# Altium PCB Dashcam.PcbDoc (part 2 of 6) (continued)
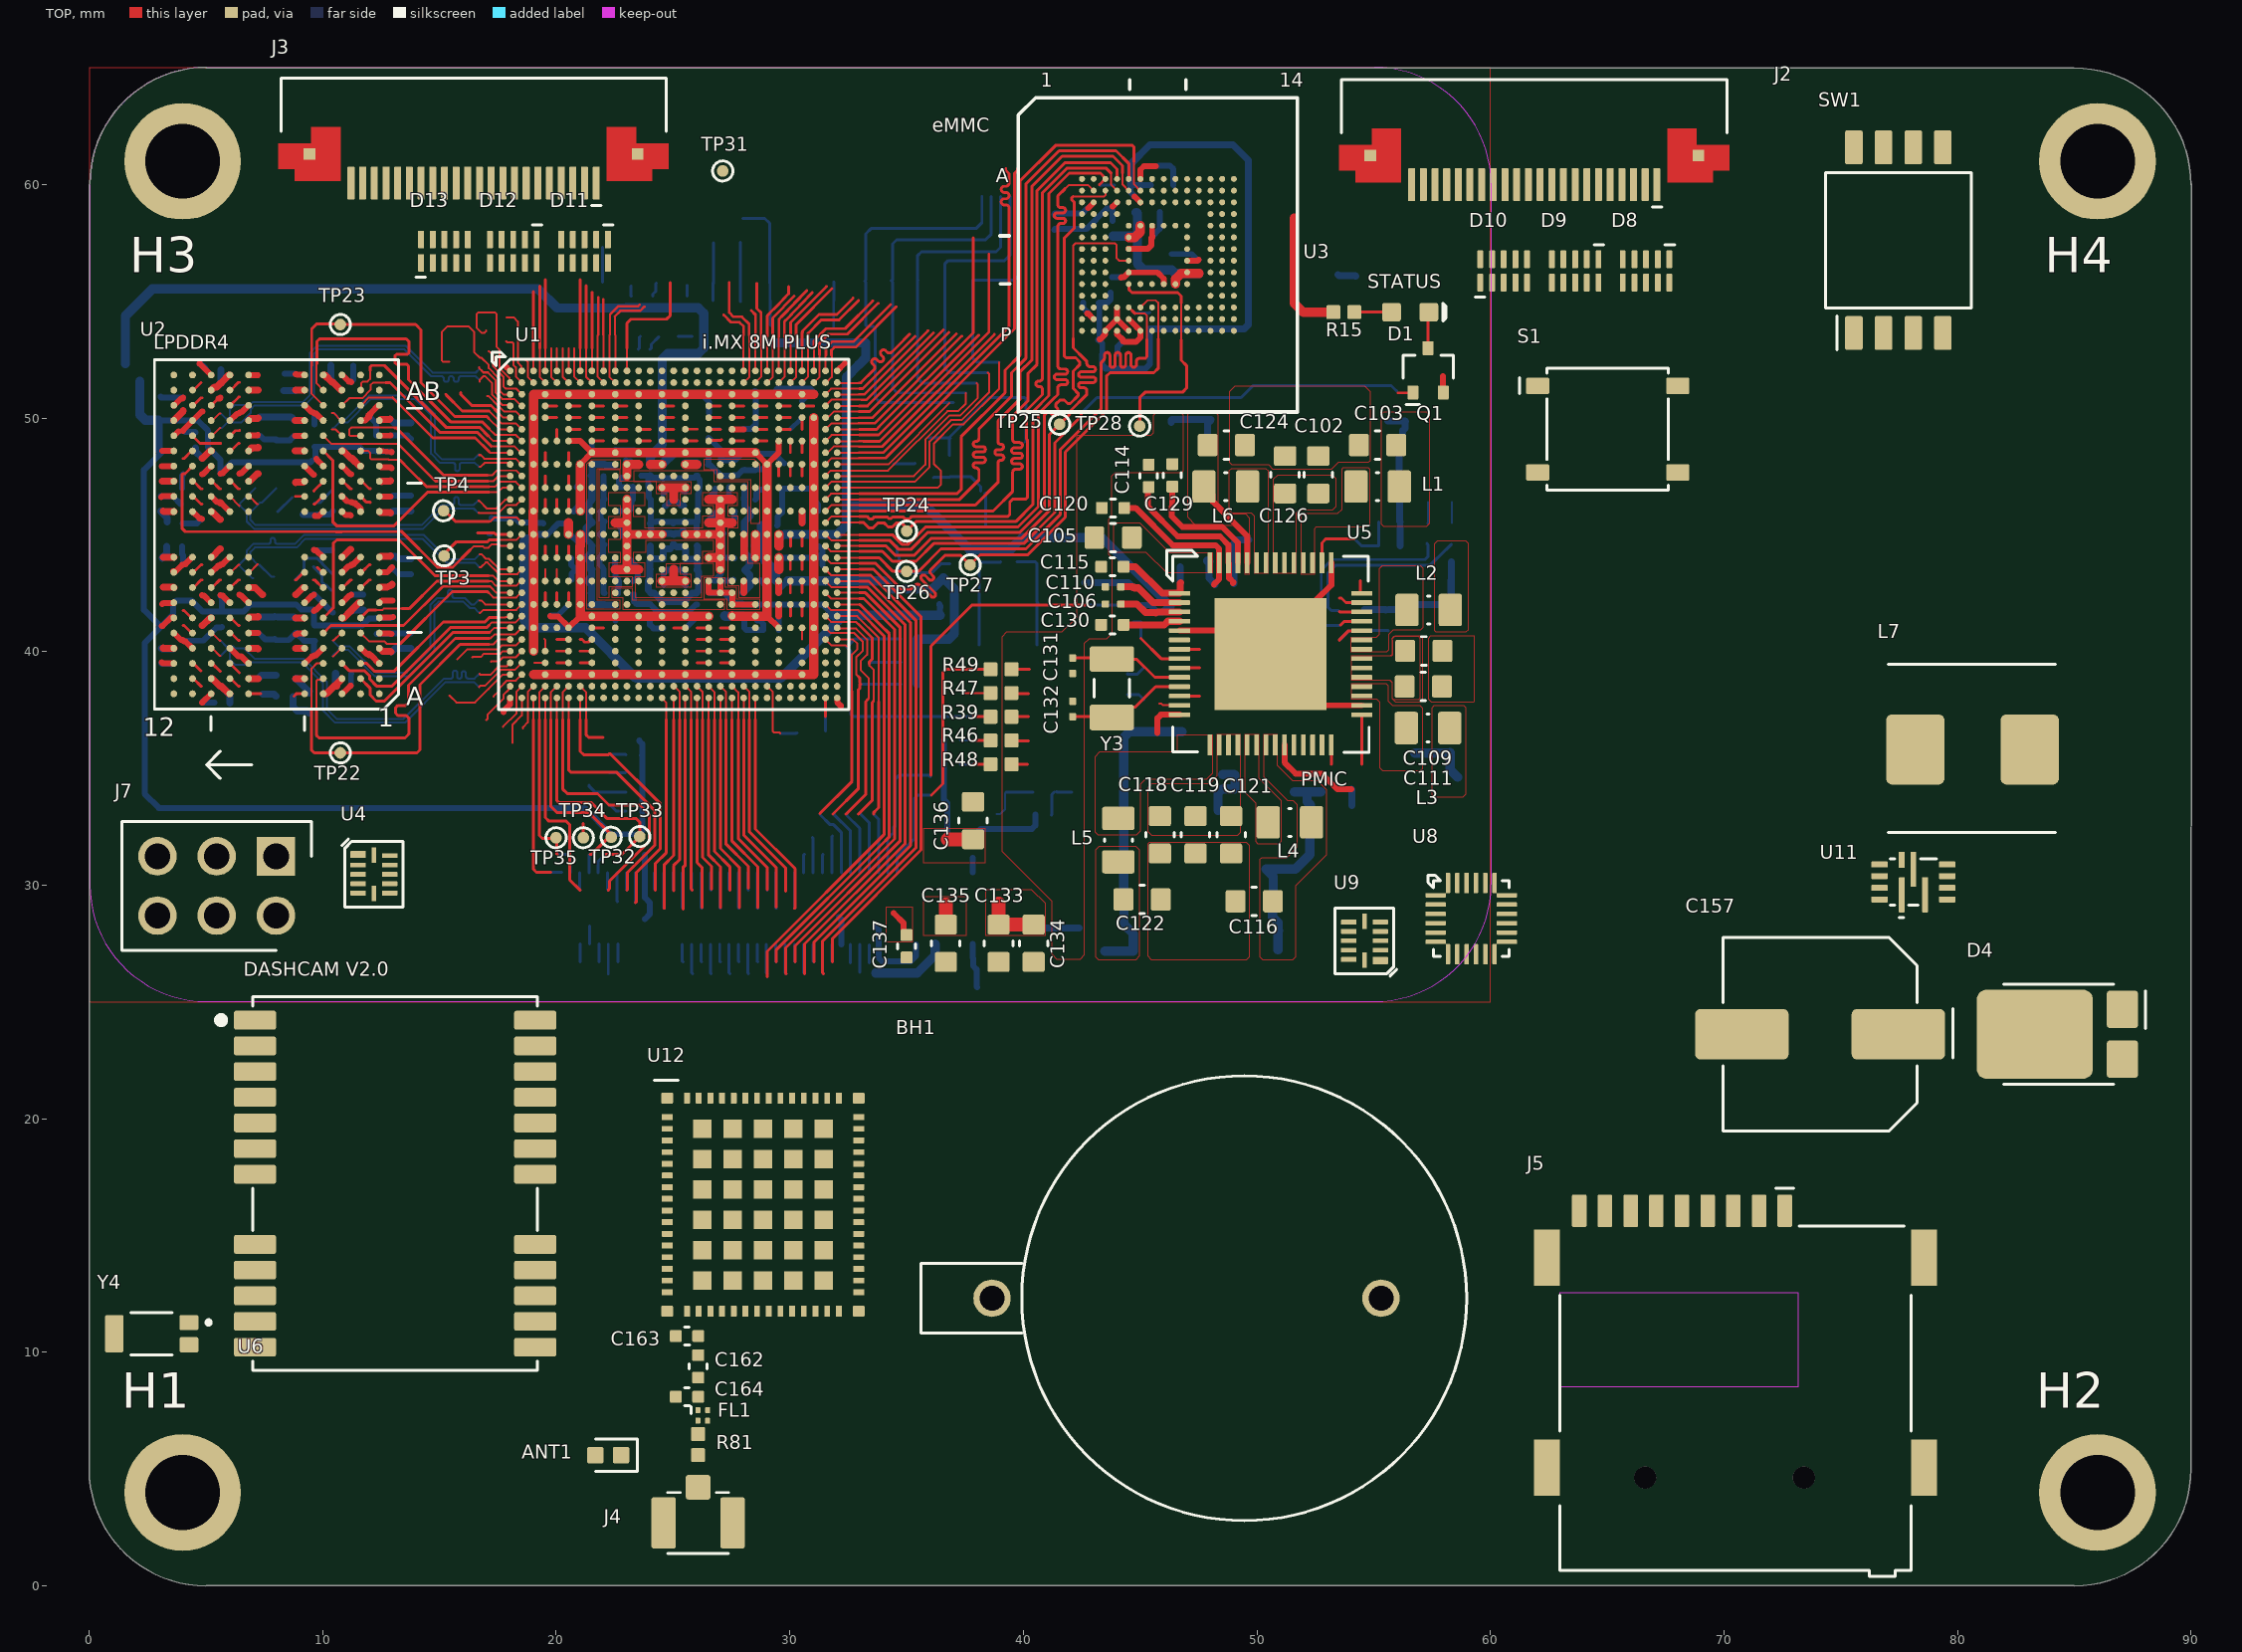
[diagram p0: TOP view]
## Part data (continued)
R50: library part RES_1M_1%_63mW_0402, "Res Thick Film 0402 1M Ohm 1% 1/16W ±100ppm/°C Molded SMD SMD Paper Tape on Plastic Reel", Case Code (Imperial)=0402, Case Code (Metric)=1005, Manufacturer=Bourns, Max Operating Temperature=125°C, Max Power Dissipation=63mW, Min Operating Temperature=-55°C, Package Quantity=10000, Power Rating=62.5mW, Resistance=1M, Supplier Part Number 1=CR0402-FX-1004GLFCT-ND, Temperature Coefficient=100ppm/°C, Tolerance=1%, Voltage Rating=50V, Case/Package=0402, Category="Chip SMD Resistors", ComponentLink1Description=http://www.mouser.com/ds/2/54/CR0402-72074.pdf?src-supplier=Mouser, ComponentLink1URL=http://www.mouser.com/ds/2/54/CR0402-72074.pdf?src-supplier=Mouser, ComponentLink2Description=http://www.farnell.com/datasheets/2194437.pdf?src-supplier=Farnell, ComponentLink2URL=http://www.farnell.com/datasheets/2194437.pdf?src-supplier=Farnell, ComponentLink3Description=http://components.arrow.com/part/dataview/41873878S8356545N1506?src-supplier=Arrow+Electronics, ComponentLink3URL=http://components.arrow.com/part/dataview/41873878S8356545N1506?src-supplier=Arrow+Electronics, ComponentLink4Description=https://datasheet.octopart.com/CR0402-FX-1004GLF-Bourns-datasheet-68301632.pdf?src-supplier=Farnell, ComponentLink4URL=https://datasheet.octopart.com/CR0402-FX-1004GLF-Bourns-datasheet-68301632.pdf?src-supplier=Farnell, ComponentLink5Description=http://www.bourns.com/pdfs/CR0402.pdf?src-supplier=Avnet, ComponentLink5URL=http://www.bourns.com/pdfs/CR0402.pdf?src-supplier=Avnet, ComponentLink6Description=https://www.bourns.com/docs/Product-Datasheets/CR0402.pdf?src-supplier=Digi-Key, ComponentLink6URL=https://www.bourns.com/docs/Product-Datasheets/CR0402.pdf?src-supplier=Digi-Key, ComponentLink7Description=http://www.farnell.com/datasheets/2194437.pdf?src-supplier=Element14, ComponentLink7URL=http://www.farnell.com/datasheets/2194437.pdf?src-supplier=Element14, ComponentLink8Description=http://www.farnell.com/datasheets/2194437.pdf?src-supplier=Newark, ComponentLink8URL=http://www.farnell.com/datasheets/2194437.pdf?src-supplier=Newark, ComponentLink9Description=https://datasheet.octopart.com/CR0402-FX-1004GLF-Bourns-datasheet-159578630.pdf?src-supplier=Electro+Sonic, ComponentLink9URL=https://datasheet.octopart.com/CR0402-FX-1004GLF-Bourns-datasheet-159578630.pdf?src-supplier=Electro+Sonic, ComponentLink10Description=https://datasheet.octopart.com/CR0402-FX-1004GLF-Bourns-datasheet-140567134.pdf?src-supplier=Arrow.cn, ComponentLink10URL=https://datasheet.octopart.com/CR0402-FX-1004GLF-Bourns-datasheet-140567134.pdf?src-supplier=Arrow.cn, Contact Plating=Tin, Height=0.35mm, Length=1mm, Manufacturer Part Number=CR0402-FX-1004GLF, Mount="Surface Mount", Number of Terminations=2, Packaging="Tape and Reel", Pricing 1="1=0.1, 10=0.012, 50=0.0064, 100=0.0052, 500=0.00332, 1000=0.0028, 5000=0.00193 (USD)", Radiation Hardening=No, RoHS=Yes, RoHS Compliant=Yes, Series=CR0402, Stock 1=506989, Supplier 1=Digi-Key, Termination=SMD/SMT, Thickness=356um, Voltage Rating (DC)=50V, Width=0.5mm
R56: library part RES_27R_5%_100mW_0603, "Res Thick Film 0603 27 Ohm 5% 0.1W(1/10W) ±100ppm/C Pad SMD T/R", Case Code (Imperial)=0603, Case Code (Metric)=1608, Manufacturer=Yageo, Max Operating Temperature=155°C, Max Power Dissipation=100mW, Min Operating Temperature=-55°C, Resistance=27R, Resistance Tolerance=5%, Resistor Type="Thick Film", Supplier Part Number 1=311-27GRCT-ND, Temperature Coefficient=100ppm/°C, Voltage Rating=50V, Case/Package=0603, Category="Chip SMD Resistors", ComponentLink1Description=https://datasheet.ciiva.com/7746/443971-7746479.pdf?src-supplier=Element14, ComponentLink1URL=https://datasheet.ciiva.com/7746/443971-7746479.pdf?src-supplier=Element14, Features="Moisture Resistant", Lead Free="Lead Free", Manufacturer Part Number=RC0603JR-0727RL, Number of Pins=2, Number of Terminations=2, Packaging="Tape and Reel", Power Rating=100mW, Pricing 1="1=0.1, 10=0.016, 50=0.0098, 100=0.0081, 500=0.00542, 1000=0.00462 (USD)", Reach SVHC Compliant=No, RoHS=Yes, RoHS Compliant=Yes, Series=RC, Size Code=0603, Stock 1=613178, Supplier 1=Digi-Key, Termination=SMD/SMT, Tolerance=5%, Voltage Rating (DC)=50V, Width=0.8mm
R57: library part RES_100K_1%_100mW_0402, "SMD Chip Resistor, 100 kOhm, ± 1%, 63 mW, 0402 [1005 Metric], Thick Film, General Purpose", Case Code (Imperial)=0402, Case Code (Metric)=1005, Manufacturer=Yageo, Max Operating Temperature=155°C, Max Power Dissipation=63mW, Min Operating Temperature=-55°C, Package Quantity=1, Resistance=100K, Resistance Tolerance=1%, Resistor Type="Thick Film", Supplier Part Number 1=311-100KLRCT-ND, Temperature Coefficient=100ppm/°C, Voltage Rating=50V, Case/Package=0402, Category="Chip SMD Resistors", ComponentLink1Description=https://datasheet.ciiva.com/11819/0900766b80c66297-11819452.pdf?src-supplier=Rs, ComponentLink1URL=https://datasheet.ciiva.com/11819/0900766b80c66297-11819452.pdf?src-supplier=Rs, ComponentLink2Description=https://datasheet.ciiva.com/22747/1018594-22747509.pdf?src-supplier=Element14, ComponentLink2URL=https://datasheet.ciiva.com/22747/1018594-22747509.pdf?src-supplier=Element14, ComponentLink3Description=https://datasheet.ciiva.com/2453/pyu-r-int-thick-7-2453362.pdf?src-supplier=Digi-Key, ComponentLink3URL=https://datasheet.ciiva.com/2453/pyu-r-int-thick-7-2453362.pdf?src-supplier=Digi-Key, ComponentLink4Description=https://datasheet.ciiva.com/12667/pyu-rc0402-51-rohs-l-6-r-12667930.pdf?src-supplier=Mouser, ComponentLink4URL=https://datasheet.ciiva.com/12667/pyu-rc0402-51-rohs-l-6-r-12667930.pdf?src-supplier=Mouser, ComponentLink5Description=https://datasheet.ciiva.com/15189/getdatasheetpartid-323696-15189334.pdf?src-supplier=Verical, ComponentLink5URL=https://datasheet.ciiva.com/15189/getdatasheetpartid-323696-15189334.pdf?src-supplier=Verical, ComponentLink6Description=https://datasheet.ciiva.com/2453/pyu-r-int-thick-7-2453363.pdf?src-supplier=Digi-Key, ComponentLink6URL=https://datasheet.ciiva.com/2453/pyu-r-int-thick-7-2453363.pdf?src-supplier=Digi-Key, ComponentLink7Description=https://datasheet.ciiva.com/2453/pyu-r-int-thick-7-2453361.pdf?src-supplier=Digi-Key, ComponentLink7URL=https://datasheet.ciiva.com/2453/pyu-r-int-thick-7-2453361.pdf?src-supplier=Digi-Key, Construction=Rectangular, Depth=0.5mm, Features="Moisture Resistant", Height=0.016inch, Lead Free=5697LeadFree, Length=0.039inch, Manufacturer Part Number=RC0402FR-07100KL, Military Standard=Not, Number of Terminations=2, Packaging="Tape and Reel", Power Rating=63mW, Pricing 1="1=0.1, 10=0.014, 50=0.0084, 100=0.007, 500=0.00464, 1000=0.00396, 5000=0.00282 (USD)", Reach SVHC Compliant=No, RoHS=Yes, RoHS Compliant=Yes, Series=RC, Stock 1=27579413, Supplier 1=Digi-Key, Technology="THICK FILM", Termination=SMD/SMT, Tolerance=1%, Voltage Rating (AC)=50V, Width=0.02inch
R59 R60: library part RES_1K_1%_100mW_0603, "Chip Resistor Automotive Grade Thick Film 0603 1kOhm 1% Paper T/R", Case Code (Imperial)=0603, Case Code (Metric)=1608, Manufacturer=Yageo, Max Operating Temperature=155°C, Min Operating Temperature=-55°C, Power Rating=100mW, Resistance=1K, Supplier Part Number 1=13-AC0603FR-101KLDKR-ND, Temperature Coefficient=100ppm/°C, Tolerance=1%, Voltage Rating=50V, Case/Package=0603, Category="Chip SMD Resistors", ComponentLink1Description=http://www.mouser.com/ds/2/447/yageodocoutput-1111992.pdf?src-supplier=Mouser, ComponentLink1URL=http://www.mouser.com/ds/2/447/yageodocoutput-1111992.pdf?src-supplier=Mouser, Height=0.45mm, Length=1.6mm, Manufacturer Part Number=AC0603FR-101KL, Packaging="Tape and Reel", Pricing 1="1=0.10000, 10=0.02500, 100=0.01030, 1000=0.00463, 2500=0.00402, 5000=0.00332 (USD)", RoHS=Yes, RoHS Compliant=Yes, Series=AC, Stock 1=108593, Supplier 1=Digi-Key, Supplier 2=Newark, Supplier 3=Mouser, Supplier Part Number 2=31AK9289, Supplier Part Number 3=603-AC0603FR-101KL, Termination=SMD/SMT, Width=0.8mm
S1: library part SWITCH_NO_SPST_0.05A, "Switch Tactile N.O. SPST Round Button Gull Wing 0.05A 12VDC 200000Cycles 2.55N SMD T/R", Manufacturer="ITT C&K", Supplier Part Number 1=CKN12221-6-ND, Category=Uncategorized, Manufacturer Part Number=PTS526SK15SMTR2LFS, Pricing 1="1=0.12, 10=0.12, 25=0.114, 100=0.1035, 250=0.09732, 500=0.08904, 1000=0.07454 (USD)", RoHS=No, Stock 1=382158, Supplier 1=Digi-Key
SW1: library part SWITCH_DIP_4P_25mA_218-4LPSTR, "Switch DIP ON OFF SPST 4 Recessed Slide 0.025A 24VDC Gull Wing 1000Cycles 1.27mm SMD T/R", Manufacturer=CTS, Max Current Rating=25mA, Max Operating Temperature=85°C, Max Voltage Rating (DC)=24V, Min Operating Temperature=-55°C, Package Quantity=2000, Supplier Part Number 1=CT3110CT-ND, Actuator Type="Slide (Standard)", Category="DIP Switches", ComponentLink1Description=https://datasheet.ciiva.com/8676/218-8676896.pdf?src-supplier=Avnet, ComponentLink1URL=https://datasheet.ciiva.com/8676/218-8676896.pdf?src-supplier=Avnet, ComponentLink2Description=https://datasheet.ciiva.com/8082/218-8082342.pdf?src-supplier=Avnet, ComponentLink2URL=https://datasheet.ciiva.com/8082/218-8082342.pdf?src-supplier=Avnet, ComponentLink3Description=https://datasheet.ciiva.com/16303/218-16303941.pdf?src-supplier=Future+Electronics, ComponentLink3URL=https://datasheet.ciiva.com/16303/218-16303941.pdf?src-supplier=Future+Electronics, ComponentLink4Description=https://datasheet.ciiva.com/15184/getdatasheetpartid-141001-15184860.pdf?src-supplier=Verical, ComponentLink4URL=https://datasheet.ciiva.com/15184/getdatasheetpartid-141001-15184860.pdf?src-supplier=Verical, Contact Material=Copper, Contact Plating=Gold, Depth=8.44mm, Electrical Life=1000Cycles, Lead Free="Lead Free", Length=6.25mm, Manufacturer Part Number=218-4LPSTR, Mechanical Life=1000Cycles, Mount="Surface Mount", Number of Positions=4, Orientation=Straight, Packaging="Tape and Reel", Pricing 1="1=1.08, 10=1.041, 25=0.978, 100=0.8449, 250=0.76996, 500=0.71586, 1000=0.66592 (USD)", Radiation Hardening=No, RoHS=Yes, RoHS Compliant=Yes, Series=218, Stock 1=12605, Supplier 1=Digi-Key, Termination="Gull Wing", Throw Configuration=SPST, Voltage Rating (DC)=24V, Washable=Yes
TP1 TP2 TP10 TP11 TP12 TP13 TP21 TP38 TP39 TP41 TP43 TP44 TP45 TP46 TP53 TP54 TP56: library part TP_PAD_SMD_Round, "Test Point, SMD pad, round, 1.5mm, 1.6mm, 3mm diameter"
TP3 TP4 TP5 TP6 TP7 TP8 TP9 TP14 TP15 TP16 TP17 TP18 TP19 TP20 TP22 TP23 TP24 TP25 TP26 TP27 TP28 TP31 TP32 TP33 TP34 TP35 TP40 TP42 TP47 TP48 TP49 TP50 TP51 TP52: library part TP_PAD_SMD_SMALL, "Test Point, SMD pad, round, 1.5mm, 1.6mm, 3mm diameter"
U1: library part IC_MPU_8M_PLUS_MIMX8ML8DVNLZAB, "i.MX 8M Plus, Consumer, / TRAY TRAY MULTIPLE DP BAKEABLE RoHS Compliant: Yes", Manufacturer="NXP Semiconductors", Category=Microprocessors, Manufacturer Part Number=MIMX8ML8DVNLZAB, Pricing 1="1=54.8, 5=52.24, 10=44.19, 25=42.8, 50=39.95, 100=31.83 (USD)", RoHS=Yes, Stock 1=1036, Supplier 1="Arrow Electronics", Supplier Part Number 1=MIMX8ML8DVNLZAB
U2: library part IC_DRAM_32G_MT53E1G32D2FW-046WT:A, "LPDDR4 32G 1GX32 FBGA DDP", Manufacturer="Micron Technology", Supplier Part Number 1=557-MT53E1G32D2FW-046WT:A-ND, Manufacturer Part Number=MT53E1G32D2FW-046WT:A, Pricing 1="1=26.73, 10=24.892, 25=24.6252, 50=24.0178, 100=21.0842, 250=20.37296, 500=19.82474 (USD)", RoHS=No, Stock 1=1349, Supplier 1=Digikey
U3: library part IC_MEMORY_eMMC_SDINBDG4-32G-I1, "Inand 7250 32GB Industrial Wide Temp -25C+85C EMMC5.1 HS400", Manufacturer=SanDisk, Supplier Part Number 1=467-SDINBDG4-32G-I1, Category=Uncategorized, Manufacturer Part Number=SDINBDG4-32G-I1, Pricing 1="1=26.46, 10=24.64, 50=23.78, 100=20.87, 1000=20.16, 10000=20.16 (USD)", RoHS=No, RoHS Compliant=No, Stock 1=1018, Supplier 1=Mouser
U4 U9: library part IC_LEVEL_TRASLATOR_NTS0104GU12,115, "NTS0104 Series 50 Mbps Dual Supply 3-ST O-DRN Translating Transceiver- XQFN-12", High Level Output Current=-20uA, Low Level Output Current=1mA, Manufacturer="NXP Semiconductors", Max Operating Temperature=125°C, Max Power Dissipation=250mW, Max Supply Voltage=5.5V, Min Operating Temperature=-40°C, Min Supply Voltage=1.65V, Package Quantity=1, Quiescent Current=45uA, Supplier Part Number 1=568-8408-1-ND, Category="Voltage Level Shifters", ComponentLink1Description=https://datasheet.ciiva.com/1899/nts0104-1899088.pdf?src-supplier=Digikey, ComponentLink1URL=https://datasheet.ciiva.com/1899/nts0104-1899088.pdf?src-supplier=Digikey, ComponentLink2Description=https://datasheet.ciiva.com/4834/nts0104-92130-4834865.pdf?src-supplier=Mouser, ComponentLink2URL=https://datasheet.ciiva.com/4834/nts0104-92130-4834865.pdf?src-supplier=Mouser, ComponentLink3Description=https://datasheet.ciiva.com/1899/nts0104-1899089.pdf?src-supplier=Digikey, ComponentLink3URL=https://datasheet.ciiva.com/1899/nts0104-1899089.pdf?src-supplier=Digikey, ComponentLink4Description=https://datasheet.ciiva.com/1899/nts0104-1899090.pdf?src-supplier=Digikey, ComponentLink4URL=https://datasheet.ciiva.com/1899/nts0104-1899090.pdf?src-supplier=Digikey, ComponentLink5Description=https://datasheet.ciiva.com/8244/nts0104-8244168.pdf?src-supplier=Avnet, ComponentLink5URL=https://datasheet.ciiva.com/8244/nts0104-8244168.pdf?src-supplier=Avnet, Data Rate=50Mbps, Lead Free="Lead Free", Logic Function=Translator, Manufacturer Part Number=NTS0104GU12,115, Mount="Surface Mount", Number of Bits=4, Number of Channels=4, Number of Pins=12, Output Type=Voltage, Packaging="Tape and Reel", Pricing 1="1=1.16, 10=1.034, 25=0.982, 100=0.8065, 250=0.75396, 500=0.66628, 1000=0.52601 (USD)", Propagation Delay=4.4ns, RoHS=Yes, RoHS Compliant=Yes, Series=-, Stock 1=126626, Supplier 1=Digikey, Turn-On Delay Time=5.8ns
U5: library part IC_PMIC_8MPLUS_PCA9450CHNY, "SAMPLE FPN ONLY - Power Management Specialized - PMIC PMIC for i.MX8M Plus(865S)", Manufacturer="NXP Semiconductors", Supplier Part Number 1=568-PCA9450CHNYCT-ND, Category="Power Management ICs", Manufacturer Part Number=PCA9450CHNY, Pricing 1="1=6.6, 10=5.931, 25=5.6072, 100=4.8595, 250=4.61032, 500=4.13684, 1000=3.4889 (USD)", RoHS=Yes, RoHS Compliant=Yes, Stock 1=22066, Supplier 1=Digikey
U6: library part IC_MODULE_UBLOX_NEO-M9N-00B, "GNSS module, Flash, TCXO, SAW, LNA, LCC, 12x16 mm Professional Grade", Manufacturer=u-blox, Supplier Part Number 1=377-NEO-M9N-00B, Category="RF Receivers, Transceivers", ComponentLink1Description=https://datasheet.octopart.com/NEO-M9N-00B-u-blox-datasheet-166813760.pdf?src-supplier=Future+Electronics, ComponentLink1URL=https://datasheet.octopart.com/NEO-M9N-00B-u-blox-datasheet-166813760.pdf?src-supplier=Future+Electronics, ComponentLink2Description=https://datasheet.octopart.com/NEO-M9N-00B-u-blox-datasheet-166811447.pdf?src-supplier=TME, ComponentLink2URL=https://datasheet.octopart.com/NEO-M9N-00B-u-blox-datasheet-166811447.pdf?src-supplier=TME, Manufacturer Part Number=NEO-M9N-00B, Pricing 1="1=27, 10=23.92, 50=19.61, 100=15.68, 250=15.68, 1000=15.68, 10000=15.68 (USD)", RoHS=Yes, RoHS Compliant=Yes, Stock 1=8287, Supplier 1=Mouser
U8: library part IC_IMU_9AXIS_ICM-20948, "IMU (Inertial Measurement Unit), 9-Axis, Accelerometer, Gyroscope, Compass", Case/Package=QFN, Manufacturer=TDK, Max Operating Temperature=85°C, Max Supply Voltage=3.6V, Min Operating Temperature=-40°C, Min Supply Voltage=1.71V, Supplier Part Number 1=410-ICM-20948, Category="Inertial Measurement Units (IMUs)", ComponentLink1Description=http://www.farnell.com/datasheets/2632662.pdf?src-supplier=Farnell, ComponentLink1URL=http://www.farnell.com/datasheets/2632662.pdf?src-supplier=Farnell, ComponentLink2Description=https://www.invensense.com/wp-content/uploads/2016/06/App-Note-eMD-20x48-User-Guide.pdf?src-supplier=Digikey, ComponentLink2URL=https://www.invensense.com/wp-content/uploads/2016/06/App-Note-eMD-20x48-User-Guide.pdf?src-supplier=Digikey, ComponentLink3Description=http://www.farnell.com/datasheets/2632662.pdf?src-supplier=Element14, ComponentLink3URL=http://www.farnell.com/datasheets/2632662.pdf?src-supplier=Element14, ComponentLink4Description=http://www.farnell.com/datasheets/2632662.pdf?src-supplier=Newark, ComponentLink4URL=http://www.farnell.com/datasheets/2632662.pdf?src-supplier=Newark, ComponentLink5Description=https://www.invensense.com/wp-content/uploads/2016/06/App-Note-eMD-20x48-User-Guide.pdf?src-supplier=Avnet, ComponentLink5URL=https://www.invensense.com/wp-content/uploads/2016/06/App-Note-eMD-20x48-User-Guide.pdf?src-supplier=Avnet, ComponentLink6Description=https://www.invensense.com/wp-content/uploads/2016/06/App-Note-eMD-20x48-User-Guide.pdf?src-supplier=Component+Distributors+Inc., ComponentLink6URL=https://www.invensense.com/wp-content/uploads/2016/06/App-Note-eMD-20x48-User-Guide.pdf?src-supplier=Component+Distributors+Inc., Height=1.05mm, Length=3mm, Manufacturer Part Number=ICM-20948, Mount="Surface Mount", Output Type=SPI,I2C, Packaging="Cut Tape", Pricing 1="1=8.32, 10=6.38, 50=6.38, 100=5.45, 250=5.41, 500=5.13, 1000=4.8, 2500=4.76, 5000=4.61, 10000=4.61 (USD)", RoHS=Yes, Sensor Type=Accelerometer,Gyroscope,Magnetometer, Series=-, Stock 1=38177, Supplier 1=Mouser, Width=3mm
U11: library part IC_REG_BUCK_26V_8A_MP8759GD-Z, "Tape & Reel (TR) Active Step-Down Buck DC to DC switching regulator 26V 8A 700kHz -40C~125C TJ", Case/Package=QFN, Manufacturer="Monolithic Power Systems", Max Input Voltage=26V, Max Operating Temperature=125°C, Max Output Current=10A, Min Input Voltage=4.5V, Min Operating Temperature=-40°C, Output Voltage=600mV, Supplier Part Number 1=1589-1736-1-ND, Switching Frequency=700kHz, Category="Voltage Regulators - Switching", ComponentLink1Description=https://www.monolithicpower.com/pub/media/document/MP8759_r1.1.pdf?src-supplier=Digi-Key, ComponentLink1URL=https://www.monolithicpower.com/pub/media/document/MP8759_r1.1.pdf?src-supplier=Digi-Key, ComponentLink2Description=https://datasheet.octopart.com/MP8759GD-Z-Monolithic-Power-Systems-datasheet-104200629.pdf?src-supplier=SHENGYU+ELECTRONICS, ComponentLink2URL=https://datasheet.octopart.com/MP8759GD-Z-Monolithic-Power-Systems-datasheet-104200629.pdf?src-supplier=SHENGYU+ELECTRONICS, ComponentLink3Description=https://datasheet.octopart.com/MP8759GD-Z-Monolithic-Power-Systems-datasheet-155982220.pdf?src-supplier=Monolithic+Power+Systems, ComponentLink3URL=https://datasheet.octopart.com/MP8759GD-Z-Monolithic-Power-Systems-datasheet-155982220.pdf?src-supplier=Monolithic+Power+Systems, Contact Plating=Tin,Matte, Manufacturer Part Number=MP8759GD-Z, Mount="Surface Mount", Number of Outputs=1, Number of Pins=14, Operating Supply Voltage=26V, Output Type=Adjustable, Pricing 1="1=2.71, 10=2.436, 25=2.2976, 100=1.9577, 250=1.8382, 500=1.60842, 1000=1.3327, 2500=1.24078 (USD)", RoHS=Yes, RoHS Compliant=Yes, Stock 1=455, Supplier 1=Digi-Key
U12: library part IC_WIFI_BLE_LBEE5QD1ZM-572, "2.4 to 5.825GHz Bluetooth WiFi 802.11a/b/g/-c, Bluetooth v5.1 Transceiver Module", Manufacturer=Murata, Manufacturer_Name="Murata Electronics", Mouser Part Number=81-LBEE5QD1ZM-572, Arrow Part Number=LBEE5QD1ZM-572, Arrow Price/Stock=https://www.arrow.com/en/products/lbee5qd1zm-572/murata-manufacturing?region=nac, Datasheet Link=https://pl.mouser.com/datasheet/2/281/1/murata_type1zm-2006876.pdf, Height=1.345mm, Manufacturer Part Number=LBEE5QD1ZM-572, Manufacturer_Part_Number=LBEE5QD1ZM-572, Mouser Price/Stock=https://www.mouser.co.uk/ProductDetail/Murata-Electronics/LBEE5QD1ZM-572?qs=stqOd1AaK79ZX7AUUzAj%2FQ%3D%3D, Pricing="1=17.82, 10=16.11, 25=14.82, 50=14.48, 100=13.43, 250=12.74, 500=11.95, 1000=11.35, 10000=11.35 (USD)", RoHS=No, Stock=926, Supplier=Mouser, Supplier Part Number=81-LBEE5QD1ZM-572
Y1: library part "CRYSTAL_EPSON_24MHz_TSX-3225 24.0000MF15X-AC3", "24 MHz ±10ppm Crystal 9pF 40 Ohms 4-SMD, No Lead", Case/Package=SMD/SMT, Frequency=24MHz, Frequency Tolerance=10ppm, Load Capacitance=9pF, Manufacturer=Epson, Max Operating Temperature=85°C, Min Operating Temperature=-40°C, Category=Crystals, Manufacturer Part Number="TSX-3225 24.0000MF15X-AC3", Mount="Surface Mount", RoHS=Yes, RoHS Compliant=Yes, Series=FC-135, Supplier 1=Digi-Key
Y2 Y3: library part CRYSTAL_ABRACON_32.768KHz_ABS07-32.768KHZ-T, "Crystal 0.032768MHz ±20ppm (Tol) 12.5pF Flexural 70000Ohm 2-Pin CSMD T/R", Case/Package=CSMD, ESR (Equivalent Series Resistance)=70kR, Frequency=32.768kHz, Frequency Tolerance=20ppm, Load Capacitance=12.5pF, Manufacturer=Abracon, Max Operating Temperature=85°C, Min Operating Temperature=-40°C, Operating Frequency="32.768 KHz", Package Quantity=3000, Supplier Part Number 1=535-9542-1-ND, Category=Crystals, ComponentLink1Description=https://datasheet.ciiva.com/7998/1912628-7998667.pdf?src-supplier=Element14, ComponentLink1URL=https://datasheet.ciiva.com/7998/1912628-7998667.pdf?src-supplier=Element14, ComponentLink2Description=https://datasheet.ciiva.com/1357/1883680-1357319.pdf?src-supplier=Element14, ComponentLink2URL=https://datasheet.ciiva.com/1357/1883680-1357319.pdf?src-supplier=Element14, ComponentLink3Description=https://datasheet.ciiva.com/854/abs07-854936.pdf?src-supplier=Digikey, ComponentLink3URL=https://datasheet.ciiva.com/854/abs07-854936.pdf?src-supplier=Digikey, ComponentLink4Description=https://datasheet.ciiva.com/854/abs07-854935.pdf?src-supplier=Digikey, ComponentLink4URL=https://datasheet.ciiva.com/854/abs07-854935.pdf?src-supplier=Digikey, ComponentLink5Description=https://datasheet.ciiva.com/854/abs07-854937.pdf?src-supplier=Digikey, ComponentLink5URL=https://datasheet.ciiva.com/854/abs07-854937.pdf?src-supplier=Digikey, ComponentLink6Description=https://datasheet.ciiva.com/4944/abs07-11028-4944830.pdf?src-supplier=Mouser, ComponentLink6URL=https://datasheet.ciiva.com/4944/abs07-11028-4944830.pdf?src-supplier=Mouser, Depth=1.5mm, Height=0.9mm, Lead Free="Lead Free", Length=3.2mm, Manufacturer Part Number=ABS07-32.768KHZ-T, Number of Pins=2, Packaging="Tape and Reel", Pricing 1="1=0.69, 10=0.576, 50=0.5184, 100=0.4607, 500=0.43768, 1000=0.36858 (USD)", Radiation Hardening=No, Reach SVHC Compliant=No, RoHS=Yes, RoHS Compliant=Yes, Series=ABS07, Series Resistance=70kR, Stock 1=1583168, Supplier 1=Digikey, Termination=SMD/SMT, Tolerance=20ppm, Width=1.5mm
Y4: library part ANT_CHIP_GPS_W3011, "Antenna Ceramic 3.4dB Gain 1585.42MHz 2-Pin CSMD", Frequency=1.57542GHz, Manufacturer=Pulse, Max Frequency=1.58542GHz, Min Frequency=1.56542GHz, Package Quantity=3000, Supplier Part Number 1=553-2582-1-ND, Category="RF Antennas", ComponentLink1Description=https://datasheet.ciiva.com/2792/+w3011-w3011a-2792615.pdf?src-supplier=Digikey, ComponentLink1URL=https://datasheet.ciiva.com/2792/+w3011-w3011a-2792615.pdf?src-supplier=Digikey, ComponentLink2Description=https://datasheet.ciiva.com/8152/+w3011-w3011a-8152997.pdf?src-supplier=Avnet, ComponentLink2URL=https://datasheet.ciiva.com/8152/+w3011-w3011a-8152997.pdf?src-supplier=Avnet, Height=0.043inch, Impedance=50R, Lead Free="Lead Free", Manufacturer Part Number=W3011, Mount="Surface Mount,PCB", Number of Bands=1, Packaging="Cut Tape", Pricing 1="1=2.56, 10=1.654, 25=1.4148, 100=1.1461, 250=1.01512, 500=0.93512, 1000=0.86859 (USD)", Return Loss=-12dB, RoHS=Yes, RoHS Compliant=Yes, Series=-, Stock 1=8689, Supplier 1=Digikey, Termination=Solder

## Nets (pads, with @x,y where several pads share a name; then routed paths per layer and width w, separated by ;. In a path a pad name is that pad's centre, name@x,y a point inside that pad or via, vN(x,y) a via of type N, cw(c..) or ccw(c..) an arc to the next point about the centre after c; other vN are vias at no path point)
4G_USB_D_N: U1.E14 | length 10
  TOP w0.12: U1.E14@24.528,50.025 25.028,50.025
  L3_IN1 w0.081: 24.145,58.629 24.145,58.615 24.346,58.413 24.346,58.286 24.917,57.715 24.917,51.441 24.405,50.929 24.405,50.395 24.629,50.171 24.818,50.171 24.964,50.025 25.028,50.025
4G_USB_D_P: U1.D14 | length 10.1
  TOP w0.12: U1.D14@24.528,50.525 25.028,50.525
  L3_IN1 w0.081: 24.729,58.629 24.729,58.615 24.554,58.439 24.554,58.372 25.125,57.801 25.125,56.566 25.125,56.292 ccw(c25.216,56.292) 25.216,56.202 25.299,56.202 cw(c25.299,56.111) 25.299,56.021 25.216,56.021 ccw(c25.216,55.93) 25.125,55.93 25.125,55.709 25.125,51.355 24.613,50.842 24.613,50.481 24.715,50.379 24.818,50.379 24.964,50.525 25.028,50.525
AFGND1: J2.SH1 J2.SH2
AFGND2: 
AFGND3: J3.SH1 J3.SH2
AGND1: J2.20 J2.21
AGND2: 
AGND3: J3.20 J3.21
BACKUP: BH1.2 R58.1 U6.22
BOOT_MODE0: SW1.4 U1.G10 | length 18.8
  TOP w0.12: U1.G10@22.528,49.025 23.028,49.025
  L3_IN1 w0.085: 16.792,59.492 16.741,59.441 16.741,59.213 14.836,57.308 14.836,56.759 14.999,56.597 20.808,56.597 22.532,54.873 22.532,49.205 22.697,49.04 23.013,49.04 23.028,49.025
BOOT_MODE1: SW1.3 U1.F8 | length 17.3
  TOP w0.12: U1.F8@21.528,49.525 22.023,49.525
  L3_IN1 w0.085: 14.43,59.492 14.43,58.121 14.041,57.733 14.041,56.508 14.692,55.857 20.465,55.857 21.534,54.788 21.534,50.009 22.018,49.525 22.023,49.525
BOOT_MODE2: U1.G8 | length 17.7
  TOP w0.12: U1.G8@21.528,49.025 22.023,49.025
  L3_IN1 w0.085: 13.845,59.492 13.845,56.442 14.615,55.672 20.388,55.672 21.349,54.711 21.349,49.703 22.023,49.03 22.023,49.025
BOOT_MODE3: U1.G12 | length 20.6
  TOP w0.12: U1.G12@23.528,49.025 24.028,49.025
  L3_IN1 w0.085: 16.182,59.492 16.182,58.959 14.633,57.41 14.633,56.701 14.922,56.412 20.732,56.412 22.347,54.796 22.347,52.99 22.347,48.755 22.507,48.596 23.904,48.596 24.028,48.72 24.028,49.025
CLKIN1: TP15.1 U1.K28 | length 23.2
  TOP w0.085: U1.K28@31.528,47.525 31.76,47.758 34.209,47.758 36.749,50.298 37.213,50.298 37.544,50.628 37.544,51.085
  BOTTOM w0.127: TP15.1@34.343,55.886 34.399,55.83 34.399,51.283 34.597,51.085 37.544,51.085 ; TP15.1@34.399,55.911 34.399,57.465 34.572,57.638 38.382,57.638 38.628,57.884 38.628,59.485
CLKIN2: TP16.1 U1.L28 | length 22
  TOP w0.085: U1.L28@31.528,47.025 31.778,47.275 35.359,47.275 35.987,47.903 35.987,48.998 36.917,49.928 37.367,49.928 38.534,51.095 38.534,51.898 38.483,51.949
  BOTTOM w0.127: TP16.1@36.634,55.906 36.634,52.147 36.832,51.949 38.483,51.949 ; TP16.1@36.634,55.911 36.634,55.962 36.634,56.602 36.782,56.749 39.195,56.749 39.428,56.982 39.428,59.485
CLKOUT1: TP19.1 U1.K29 | length 22.4
  TOP w0.085: U1.K29@32.028,47.525 35.31,47.525 35.802,48.017 35.802,49.089 36.825,50.113 37.29,50.113 38.052,50.874 38.052,51.441 38.001,51.491
  BOTTOM w0.127: TP19.1@35.477,55.911 35.477,56.968 35.639,57.13 38.839,57.13 39.028,57.319 39.028,59.485 ; TP19.1@35.486,55.911 35.477,55.901 35.477,51.704 35.689,51.491 38.001,51.491
CLKOUT2: TP18.1 U1.L29 | length 21.2
  TOP w0.085: U1.L29@32.028,47.025 36.328,47.025 36.477,47.173 36.477,47.732 36.172,48.037 36.172,48.921 36.994,49.743 37.443,49.743 38.966,51.265 38.966,52.406
  BOTTOM w0.127: TP18.1@37.828,55.855 37.828,52.579 38.001,52.406 38.966,52.406 ; TP18.1@37.828,55.911 39.601,55.911 39.828,56.138 39.828,59.485
CONFIG_AUTO: U12.23
CONFIG_HOST_0: U12.12
CONFIG_HOST_1: U12.13
CSI1_CK_N: U1.E22 | length 18.2
  TOP w0.12: U1.E22@28.528,50.025 29.028,50.025
  L3_IN1 w0.052: 28.704,53.574 28.783,53.653 28.783,54.086 31.277,56.58 31.277,59.72 32.309,60.752 32.309,61.273 31.602,61.98 29.392,61.98 29.123,62.25 29.123,63.062 29.123,63.113 28.958,63.277 28.958,63.302
  L3_IN1 w0.081: 28.704,53.574 28.704,50.12 28.781,50.044 29.022,50.044 29.041,50.025
CSI1_CK_P: U1.D22 | length 18.2
  TOP w0.12: U1.D22@28.528,50.525 29.028,50.525
  L3_IN1 w0.052: 29.041,53.568 28.962,53.647 28.962,54.012 31.456,56.506 31.456,57.109 31.456,57.337 cw(c31.557,57.337) 31.557,57.438 31.651,57.438 ccw(c31.651,57.539) 31.651,57.64 31.557,57.64 cw(c31.557,57.741) 31.557,57.842 31.61,57.842 ccw(c31.61,57.943) 31.61,58.044 31.557,58.044 cw(c31.557,58.145) 31.456,58.145 31.456,58.404 31.456,59.646 32.488,60.678 32.488,61.347 31.676,62.159 29.466,62.159 29.302,62.324 29.302,62.988 29.302,63.113 29.466,63.277 29.466,63.302
  L3_IN1 w0.081: 29.041,50.525 29.041,53.568
CSI1_D0_N: U1.E18 | length 14.3
  TOP w0.12: U1.E18@26.528,50.025 27.028,50.025
  L3_IN1 w0.052: 26.698,53.534 26.777,53.613 26.777,54.49 27.231,54.945 27.231,55.936 28.73,57.434 28.73,59.29 28.392,59.627 27.514,59.627 27.179,59.962 27.179,60.539 27.179,60.813 27.535,61.169 27.535,61.253 27.535,61.296 27.384,61.448 27.333,61.448
  L3_IN1 w0.081: 26.698,53.534 26.698,50.355 27.028,50.025
CSI1_D0_P: U1.D18 | length 14.3
  TOP w0.12: U1.D18@26.528,50.525 27.028,50.525
  L3_IN1 w0.052: 27.034,53.568 26.956,53.647 26.956,54.416 27.41,54.871 27.41,55.861 27.631,56.083 27.793,56.244 cw(c27.864,56.172) 27.935,56.244 27.958,56.221 ccw(c28.029,56.293) 28.101,56.221 ccw(c28.029,56.293) 28.101,56.364 28.078,56.387 cw(c28.15,56.458) 28.078,56.529 cw(c28.15,56.458) 28.221,56.529 28.243,56.507 ccw(c28.315,56.579) 28.386,56.507 ccw(c28.315,56.579) 28.386,56.65 28.364,56.672 cw(c28.435,56.744) 28.364,56.815 28.609,57.06 28.909,57.36 28.909,59.364 28.467,59.806 27.588,59.806 27.358,60.037 27.358,60.464 27.358,60.738 27.714,61.095 27.714,61.179 27.714,61.296 27.866,61.448 27.917,61.448
  L3_IN1 w0.081: 27.034,50.525 27.034,53.568
CSI1_D1_N: U1.E20 | length 15.5
  TOP w0.12: U1.E20@27.528,50.025 28.028,50.025
  L3_IN1 w0.052: 27.688,53.574 27.767,53.653 27.767,54.414 30.578,57.225 30.889,57.536 30.889,59.264 30.736,59.416 30.101,59.416 29.949,59.569 29.949,61.142 29.797,61.295 29.653,61.295 29.551,61.193 29.245,61.193 28.813,61.625 28.734,61.625
  L3_IN1 w0.081: 27.688,53.574 27.688,50.12 27.765,50.044 28.006,50.044 28.025,50.025
CSI1_D1_P: U1.D20 | length 15.4
  TOP w0.12: U1.D20@27.528,50.525 28.028,50.525
  L3_IN1 w0.052: 28.025,53.568 27.946,53.647 27.946,54.34 29.485,55.879 29.647,56.041 cw(c29.718,55.969) 29.79,56.041 29.825,56.006 ccw(c29.896,56.077) 29.967,56.006 ccw(c29.896,56.077) 29.967,56.148 29.932,56.183 cw(c30.004,56.255) 29.932,56.326 cw(c30.004,56.255) 30.075,56.326 30.11,56.291 ccw(c30.182,56.363) 30.253,56.291 ccw(c30.182,56.363) 30.253,56.434 30.218,56.469 cw(c30.29,56.541) 30.218,56.612 cw(c30.29,56.541) 30.361,56.612 30.396,56.577 ccw(c30.467,56.648) 30.539,56.577 ccw(c30.467,56.648) 30.539,56.72 30.504,56.755 cw(c30.575,56.826) 30.504,56.898 30.705,57.099 31.068,57.462 31.068,59.338 30.811,59.595 30.176,59.595 30.128,59.643 30.128,61.216 29.871,61.474 29.579,61.474 29.477,61.372 29.434,61.372 29.404,61.402 29.404,61.568 29.339,61.632
  L3_IN1 w0.081: 28.025,50.525 28.025,53.568
CSI1_D2_N: U1.E24 | length 17.9
  TOP w0.12: U1.E24@29.528,50.025 30.028,50.025
  L3_IN1 w0.052: 29.67,52.99 29.67,53.523 29.774,53.628 29.774,54.414 31.904,56.544 31.904,59.871 32.64,60.608 32.64,61.425 31.627,62.438 30.096,62.438 29.937,62.597 29.937,63.62 29.773,63.783 29.773,63.81
  L3_IN1 w0.081: 29.67,52.99 29.67,50.12 29.771,50.018 30.013,50.018
CSI1_D2_P: U1.D24 | length 17.9
  TOP w0.12: U1.D24@29.528,50.525 30.028,50.525
  L3_IN1 w0.052: 30.028,52.99 30.028,53.546 29.953,53.621 29.953,54.34 32.083,56.47 32.083,57.11 32.083,57.338 cw(c32.184,57.338) 32.184,57.439 32.286,57.439 ccw(c32.286,57.54) 32.286,57.641 32.184,57.641 cw(c32.184,57.742) 32.184,57.843 32.26,57.843 ccw(c32.26,57.944) 32.26,58.045 32.184,58.045 cw(c32.184,58.146) 32.083,58.146 32.083,58.346 32.083,59.797 32.819,60.534 32.819,61.499 31.702,62.617 30.171,62.617 30.116,62.671 30.116,63.62 30.279,63.783 30.279,63.81
  L3_IN1 w0.081: 30.028,50.525 30.028,52.99
CSI1_D3_N: U1.E26 | length 23.3
  TOP w0.12: 30.528,49.525 U1.E26@30.528,50.025
  L3_IN1 w0.052: 30.528,49.525 30.528,50.379 30.406,50.501 30.406,52.939 30.444,52.977 30.444,54.373 ; 30.559,63.302 30.559,63.277 30.723,63.113 30.723,62.974 30.904,62.793 34.04,62.793 35.18,61.653 35.18,60.775 33.988,59.583 33.988,57.917 33.588,57.517 30.444,54.373 ; 32.737,56.666 30.444,54.373
CSI1_D3_P: U1.D26 | length 20
  TOP w0.12: U1.D26@30.528,50.525 31.028,50.525
  L3_IN1 w0.052: 31.028,50.525 30.712,50.525 30.66,50.577 30.66,52.965 30.623,53.002 30.623,54.299 32.895,56.571 33.056,56.732 cw(c33.127,56.661) 33.199,56.732 33.242,56.688 ccw(c33.314,56.76) 33.385,56.688 ccw(c33.314,56.76) 33.385,56.831 33.342,56.875 cw(c33.413,56.946) 33.342,57.018 cw(c33.413,56.946) 33.485,57.018 33.527,56.975 ccw(c33.599,57.046) 33.67,56.975 ccw(c33.599,57.046) 33.67,57.118 33.627,57.161 cw(c33.699,57.232) 33.627,57.303 33.783,57.459 34.167,57.843 34.167,59.508 35.359,60.701 35.359,61.728 34.115,62.972 30.978,62.972 30.902,63.048 30.902,63.113 31.067,63.277 31.067,63.302
CSI1_SYNC: 
CSI1_SYNC_R: J2.14
CSI1A_CK_N: D10.5 D10.6 J2.10
CSI1A_CK_P: D10.4 D10.7 J2.11
CSI1A_D0_N: D8.1 D8.10 J2.2
CSI1A_D0_P: D8.2 D8.9 J2.3
CSI1A_D1_N: D8.4 D8.7 J2.4
CSI1A_D1_P: D8.5 D8.6 J2.5
CSI1A_D2_N: D9.1 D9.10 J2.6
CSI1A_D2_P: D9.2 D9.9 J2.7
CSI1A_D3_N: D9.4 D9.7 J2.8
CSI1A_D3_P: D9.5 D9.6 J2.9
CSI2_CK_N: D13.5 D13.6 J3.10
CSI2_CK_P: D13.4 D13.7 J3.11
CSI2_D0_N: D11.1 D11.10 J3.2
CSI2_D0_P: D11.2 D11.9 J3.3
CSI2_D1_N: D11.4 D11.7 J3.4
CSI2_D1_P: D11.5 D11.6 J3.5
CSI2_D2_N: D12.1 D12.10 J3.6
CSI2_D2_P: D12.2 D12.9 J3.7
CSI2_D3_N: D12.4 D12.7 J3.8
CSI2_D3_P: D12.5 D12.6 J3.9
CSI2_SYNC: 
CSI2_SYNC_R: J3.14
CSI_MCLK: 
CSI_MCLK_R: J2.19 J3.19
CSI_nRST: 
CSI_nRST_R: J2.13 J3.13
CSI_PWDN: 
CSI_PWDN_R: J2.18 J3.18
DBG_UART_A53_RX: TP34.1 U1.AF6 U4.3 | length 15.8
  TOP w0.12: 20.028,39.525 U1.AF6@20.528,39.525
  TOP w0.127: TP34.1@21.161,32.035 21.161,32.645
  L3_IN1 w0.085: 20.028,39.525 20.028,34.209 21.161,33.076 21.161,32.659 ; 21.161,32.645 21.161,32.187 20.551,31.578 20.551,28.784 20.627,28.708 21.719,28.708 21.834,28.593 21.834,26.72
DBG_UART_A53_RX_3V3: U4.8
DBG_UART_A53_TX: TP35.1 U1.AH4 U4.2 | length 8
  TOP w0.085: 19.281,37.09 19.281,38.278 U1.AH4@19.528,38.525
  TOP w0.127: 19.281,37.09 19.281,32.137 19.408,32.01 19.967,32.01 TP35.1@19.992,32.035 ; TP35.1@19.992,32.01 20.017,31.985 20.017,31.356 20.041,31.332
DBG_UART_A53_TX_3V3: J7.3 U4.7
DBG_UART_M7_RX: TP33.1 U1.AJ5 U4.4 | length 10.7
  TOP w0.085: 20.028,37.09 U1.AJ5@20.028,38.025
  TOP w0.127: 20.028,37.09 20.028,33.623 20.102,33.549 21.488,33.549 22.185,32.852 23.43,32.852 23.574,32.708 TP33.1@23.574,32.086 22.812,31.324 22.126,31.324
DBG_UART_M7_RX_3V3: J7.1 U4.9
DBG_UART_M7_TX: TP32.1 U1.AH5 U4.5 | length 9.7
  TOP w0.085: 19.765,37.09 19.765,38.262 U1.AH5@20.028,38.525
  TOP w0.127: 19.765,37.09 19.765,33.38 20.039,33.106 21.41,33.106 22.354,32.161 TP32.1@22.354,32.06 22.253,32.06 22.12,31.927 ; 21.44,31.324 21.515,31.324 21.629,31.437 22.119,31.927
DBG_UART_M7_TX_3V3: J7.2 J7.4 U4.10
DCDC_3V3: U9.11
DRAM_CA0_A: U1.L6 U2.R2 | length 19.1
  TOP w0.12: U1.L6@20.528,47.025 20.528,47.525
  L3_IN1 w0.085: 11.975,47 11.995,46.979 13.123,46.979 13.626,47.482 13.829,47.482 13.871,47.482 ccw(c13.871,47.6) 13.989,47.6 13.989,48.496 cw(c14.106,48.496) 14.224,48.496 14.224,47.596 ccw(c14.341,47.596) 14.459,47.596 14.459,48.496 cw(c14.576,48.496) 14.694,48.496 14.694,47.596 ccw(c14.811,47.596) 14.929,47.596 14.929,48.496 cw(c15.046,48.496) 15.164,48.496 15.164,47.596 ccw(c15.281,47.596) 15.399,47.596 15.399,48.496 cw(c15.516,48.496) 15.634,48.496 15.634,47.6 ccw(c15.751,47.6) 15.751,47.482 16.069,47.482 17.994,47.482 18.502,47.99 20.399,47.99 20.574,48.165 20.955,48.165 21.009,48.111 21.009,48.006 20.558,47.555 20.523,47.555
DRAM_CA0_B: U1.W4 U2.H2 | length 17.3
  TOP w0.085: U1.W4@19.518,43.012 19.528,43.021 U1.W4@19.528,43.025 19.528,43.525
  L3_IN1 w0.085: 12.025,43.113 12.025,42.604 12.075,42.555 13.448,42.555 13.49,42.555 ccw(c13.49,42.647) 13.583,42.647 13.583,42.716 cw(c13.675,42.716) 13.675,42.809 cw(c13.675,42.716) 13.768,42.716 13.768,42.121 ccw(c13.86,42.121) 13.86,42.028 ccw(c13.86,42.121) 13.953,42.121 13.953,42.716 cw(c14.045,42.716) 14.045,42.809 cw(c14.045,42.716) 14.138,42.716 14.138,42.121 ccw(c14.23,42.121) 14.23,42.028 ccw(c14.23,42.121) 14.323,42.121 14.323,42.716 cw(c14.415,42.716) 14.415,42.809 cw(c14.415,42.716) 14.508,42.716 14.508,42.121 ccw(c14.6,42.121) 14.6,42.028 ccw(c14.6,42.121) 14.693,42.121 14.693,42.716 cw(c14.785,42.716) 14.785,42.809 cw(c14.785,42.716) 14.878,42.716 14.878,42.121 ccw(c14.97,42.121) 14.97,42.028 ccw(c14.97,42.121) 15.063,42.121 15.063,42.716 cw(c15.155,42.716) 15.155,42.809 cw(c15.155,42.716) 15.248,42.716 15.248,42.121 ccw(c15.34,42.121) 15.34,42.028 ccw(c15.34,42.121) 15.433,42.121 15.433,42.716 cw(c15.525,42.716) 15.525,42.809 cw(c15.525,42.716) 15.618,42.716 15.618,42.647 ccw(c15.71,42.647) 15.71,42.555 15.886,42.555 15.954,42.555 16.18,42.78 17.097,42.78 17.122,42.78 17.628,42.78 17.944,43.096 17.944,43.545 18.045,43.647 18.426,43.647 18.528,43.545 18.528,43.291 18.655,43.164 19.494,43.164 19.544,43.214 19.544,43.494
DRAM_CA1_A: U1.L4 U2.P2 | length 19
  TOP w0.12: U1.L4@19.528,47.025 19.528,47.525
  L3_IN1 w0.085: 12.028,46.347 11.966,46.409 11.966,46.525 11.714,46.778 11.643,46.778 11.557,46.692 11.557,45.805 11.607,45.755 12.475,45.755 12.533,45.814 12.533,46.161 12.66,46.288 13.143,46.288 13.685,46.831 13.821,46.966 cw(c13.904,46.883) 14.021,46.883 14.021,46.321 ccw(c14.139,46.321) 14.256,46.321 14.256,46.988 cw(c14.374,46.988) 14.491,46.988 14.491,46.321 ccw(c14.609,46.321) 14.726,46.321 14.726,46.988 cw(c14.844,46.988) 14.961,46.988 14.961,46.321 ccw(c15.079,46.321) 15.196,46.321 15.196,46.988 cw(c15.314,46.988) 15.431,46.988 15.431,46.321 ccw(c15.549,46.321) 15.666,46.321 15.666,46.933 cw(c15.784,46.933) 15.784,47.05 15.971,47.05 16.047,47.127 20.129,47.127 20.179,47.176 20.179,47.569 19.99,47.758 19.761,47.758 19.528,47.525